# Altium PCB SPEC-A7.PcbDoc (part 1 of 10) (continued)
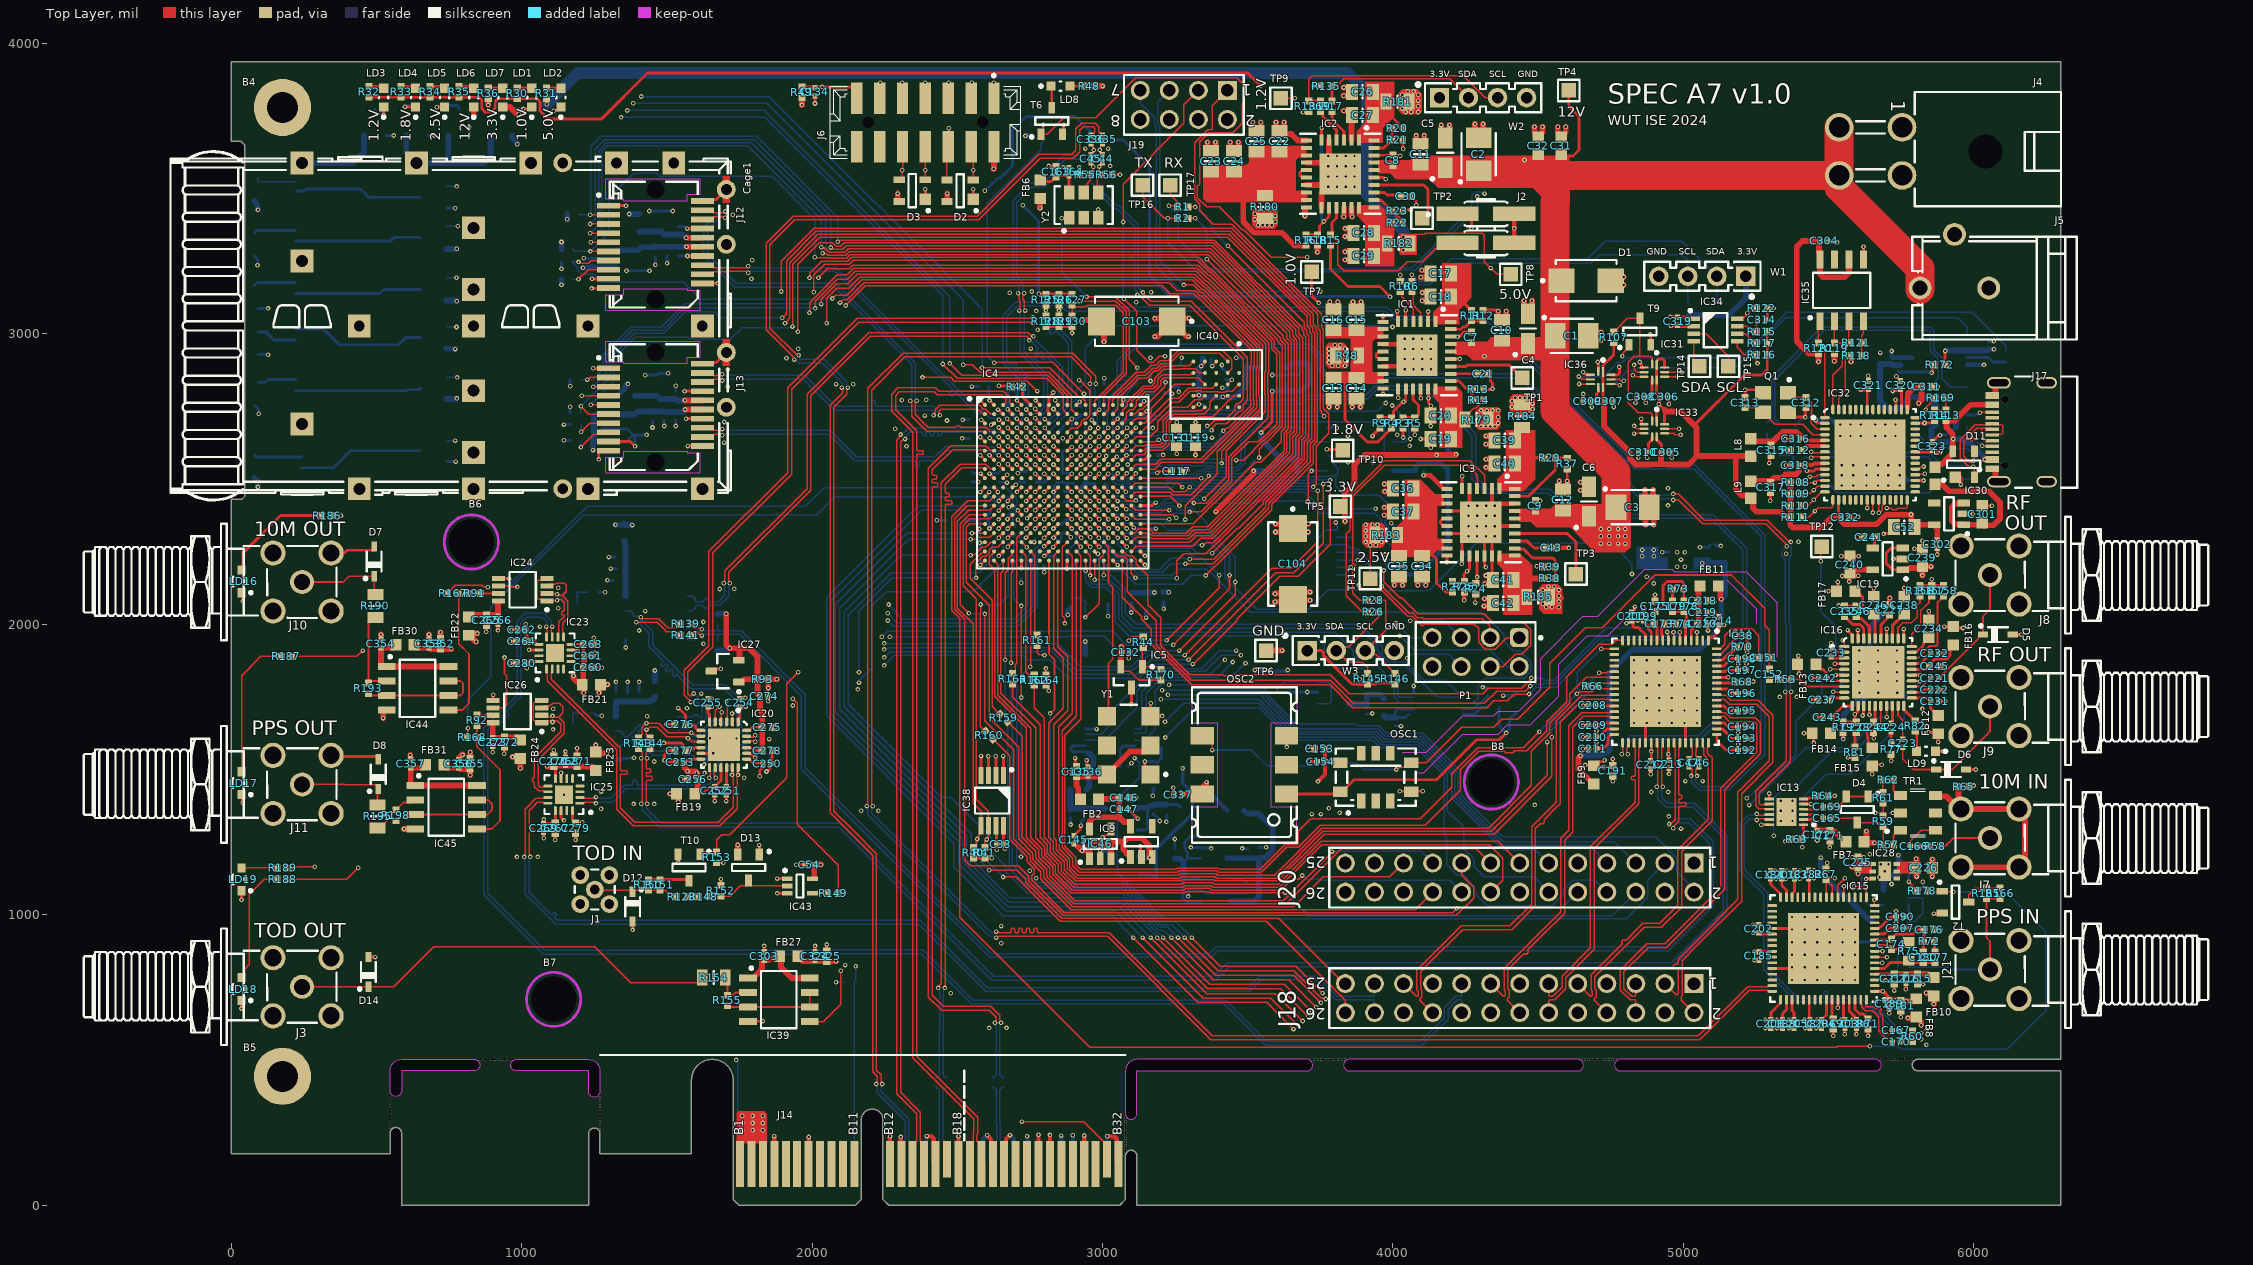
[diagram p0: Top Layer view]
## Components (designator, comment, footprint, x,y, rotation, side; value= is the part's Value field where it differs from the comment) (continued)
C144 "4.7uF" CAPC1005X55N 2952.76,1251.97 r180 bottom
C145 "100nF" CAPC0603X33N 2901.57,1257.87 r270 top
C146 "4.7uF" CAPC1005X55N 3075,1402.98 r180 top
C147 "100nF" CAPC0603X33N 3075,1362.98 r180 top
C148 "100nF" CAPC0603X33N 4007.87,1665.35 r90 bottom
C149 "100nF" CAPC0603X33N 4326.85,1767.85 r270 bottom
C150 "100nF" CAPC2012X88N 4425.2,1728.35 r270 bottom
C151 "10nF" CAPC1005X55N 5277.35,1884.99 r180 top
C152 "10nF" CAPC1005X55N 5295.58,1828.27 r270 top
C153 "4.7uF" CAPC1005X55N 3748.03,1570.87 r0 top
C154 "100nF" CAPC0603X33N 3751.97,1527.56 r0 top
C155 "4.7uF" CAPC1005X55N 3645.67,1787.4 r90 bottom
C156 "100nF" CAPC0603X33N 3685.04,1783.46 r90 bottom
C157 "4.7uF" CAPC1005X55N 3909.45,1775.59 r270 bottom
C158 "100nF" CAPC0603X33N 3909.45,1704.72 r90 bottom
C159 "4.7uF" CAPC1005X55N 3248.03,1212.6 r270 bottom
C160 "100nF" CAPC0603X33N 3295.28,1102.36 r90 bottom
C161 "4.7uF" CAPC1005X55N 3539,1211.77 r270 bottom
C162 "100nF" CAPC0603X33N 3499,1211.77 r270 bottom
C163 "4.7uF" CAPC1005X55N 2840,3557.98 r270 top
C164 "100nF" CAPC0603X33N 2885,3557.98 r270 top
C165 "100nF" CAPC0603X33N 5495,1332.14 r180 top
C166 "100nF" CAPC0603X33N 5795.28,1236.22 r180 top
C167 "100nF" CAPC0603X33N 5733.07,602.01 r180 top
C168 "100nF" CAPC0603X33N 5694.88,1350.39 r180 bottom
C169 "100nF" CAPC0603X33N 5495,1372.14 r180 top
C170 "100nF" CAPC0603X33N 5733.07,562.01 r180 top
C171 "4.7uF" CAPC1005X55N 5503.94,1271.65 r90 top
C172 "100nF" CAPC0603X33N 5460.63,1275.59 r90 top
C173 "33pF" CAPC1005X55N 4916.93,2001.84 r0 top
C174 "150pF" CAPC1005X55N 5715.63,898.82 r270 top
C175 "220nF" CAPC1005X55N 4901.93,2061.84 r270 top
C176 "220nF" CAPC1005X55N 5845.63,948.82 r180 top
C177 "10nF" CAPC1005X55N 5865.63,853.82 r90 top
C178 "68pF" CAPC1005X55N 5001.93,2061.84 r270 top
C179 "220nF" CAPC1005X55N 4961.93,2061.84 r90 top
C180 "470pF" CAPC1005X55N 5825.63,853.82 r90 top
C181 "4.7uF" CAPC1005X55N 5748.26,687.12 r90 top
C182 "100nF" CAPC0603X33N 5430.63,1138.82 r270 top
C183 "100nF" CAPC0603X33N 5381.89,1137.8 r270 top
C184 "100nF" CAPC0603X33N 5299.21,1137.8 r270 top
C185 "100nF" CAPC0603X33N 5259.84,858.27 r90 top
C186 "100nF" CAPC0603X33N 5595.63,623.82 r90 top
C187 "100nF" CAPC0603X33N 5435.63,623.82 r90 top
C188 "100nF" CAPC0603X33N 5340.63,623.82 r90 top
C189 "100nF" CAPC0603X33N 5708.66,692.91 r90 top
C190 "100nF" CAPC0603X33N 5745.63,993.82 r180 top
C191 "4.7uF" CAPC1005X55N 4756.69,1496.36 r90 top
C192 "100nF" CAPC0603X33N 5201.93,1566.84 r180 top
C193 "100nF" CAPC0603X33N 5201.93,1606.84 r180 top
C194 "100nF" CAPC0603X33N 5201.93,1646.84 r180 top
C195 "100nF" CAPC0603X33N 5201.93,1701.84 r180 top
C196 "100nF" CAPC0603X33N 5201.93,1761.84 r180 top
C197 "100nF" CAPC0603X33N 5201.93,1841.84 r180 top
C198 "100nF" CAPC0603X33N 5201.93,1881.84 r180 top
C199 "100nF" CAPC0603X33N 4861.93,2026.84 r270 top
C200 "100nF" CAPC0603X33N 4821.93,2026.84 r270 top
C201 "100nF" CAPC0603X33N 5338.58,1137.8 r270 top
C202 "100nF" CAPC0603X33N 5259.17,952.13 r270 top
C203 "100nF" CAPC0603X33N 5555.63,623.82 r90 top
C204 "100nF" CAPC0603X33N 5475.63,623.82 r90 top
C205 "100nF" CAPC0603X33N 5380.63,623.82 r90 top
C206 "100nF" CAPC0603X33N 5300.63,623.82 r90 top
C207 "100nF" CAPC0603X33N 5745.63,953.82 r180 top
C208 "100nF" CAPC0603X33N 4686.93,1721.84 r0 top
C209 "100nF" CAPC0603X33N 4686.93,1651.84 r0 top
C210 "100nF" CAPC0603X33N 4686.93,1611.84 r0 top
C211 "100nF" CAPC0603X33N 4686.93,1571.84 r0 top
C212 "100nF" CAPC0603X33N 4886.93,1516.84 r90 top
C213 "100nF" CAPC0603X33N 4950,1517.98 r90 top
C214 "100nF" CAPC0603X33N 5121.93,2011.84 r270 top
C215 "4.7uF" CAPC1005X55N 5805.63,778.82 r90 top
C216 "100nF" CAPC0603X33N 5765.63,778.82 r90 top
C217 "10nF" CAPC1005X55N 5725.63,778.82 r90 top
C218 "4.7uF" CAPC1005X55N 5066.93,2081.84 r180 top
C219 "100nF" CAPC0603X33N 5066.93,2041.84 r180 top
C220 "10nF" CAPC1005X55N 5066.93,2001.84 r180 top
C221 "100nF" CAPC0603X33N 5865,1815 r0 top
C222 "100nF" CAPC0603X33N 5865,1775 r0 top
C223 "100nF" CAPC0603X33N 5755,1590 r270 top
C224 "100nF" CAPC0603X33N 5715,1645 r270 top
C225 "1uF" CAPC1005X55N 5600.47,1180.91 r270 top
C226 "10uF" CAPC1608X80N 5827.24,1161.92 r180 top
C227 "2.2nF" CAPC1005X55N 5710,2050 r270 top
C228 "15nF" CAPC1005X55N 5595,1645 r90 top
C229 "1uF" CAPC1005X55N 4897.64,2181.1 r90 bottom
C230 "10uF" CAPC1608X80N 5098.43,2240.16 r270 bottom
C231 "100nF" CAPC0603X33N 5865,1735 r180 top
C232 "100nF" CAPC0603X33N 5865,1900 r180 top
C233 "470nF" CAPC0603X33N 5508.3,1902.63 r270 top
C234 "10uF" CAPC1608X80N 5845,1985 r270 top
C235 "10nF" CAPC1005X55N 5555,2045 r270 top
C236 "10uF" CAPC1608X80N 5655,2065 r270 top
C237 "1uF" CAPC1005X55N 5480,1740 r0 top
C238 "10uF" CAPC1608X80N 5760,2065 r270 top
C239 "2.2uF" CAPC1608X90N 5822.89,2228.23 r270 top
C240 "2.2uF" CAPC1608X90N 5573.28,2205 r270 top
C241 "470pF" CAPC1005X55N 5640,2300 r0 top
C242 "100nF" CAPC0603X33N 5480,1815 r0 top
C243 "100nF" CAPC0603X33N 5495,1680 r0 top
C244 "1uF" CAPC1005X55N 5655,1645 r90 top
C245 "1uF" CAPC1005X55N 5865,1855 r180 top
C246 "1uF" CAPC1005X55N 5595,2045 r270 top
C247 "10nF" CAPC1005X55N 1334.67,2151.42 r0 bottom
C248 "100nF" CAPC0603X33N 1339.67,2191.42 r0 bottom
C249 "4.7uF" CAPC1005X55N 1339.67,2231.42 r0 bottom
C250 "100nF" CAPC0603X33N 1846.03,1520.2 r180 top
C251 "100nF" CAPC0603X33N 1704.67,1426.42 r90 top
C252 "100nF" CAPC0603X33N 1664.67,1426.42 r90 top
C253 "100nF" CAPC0603X33N 1546.03,1525.2 r0 top
C254 "100nF" CAPC0603X33N 1751.03,1730.2 r270 top
C255 "100nF" CAPC0603X33N 1641.03,1730.2 r270 top
C256 "4.7uF" CAPC1005X55N 1589.67,1466.42 r0 top
C257 "10nF" CAPC1005X55N 1324.67,1751.42 r270 bottom
C258 "100nF" CAPC0603X33N 1364.67,1751.42 r270 bottom
C259 "4.7uF" CAPC1005X55N 1404.67,1751.42 r270 bottom
C260 "4.7uF" CAPC1005X55N 1230.08,1851.38 r180 top
C261 "100nF" CAPC0603X33N 1230.08,1891.38 r180 top
C262 "100nF" CAPC0603X33N 1000.08,1981.38 r0 top
C263 "10nF" CAPC1005X55N 1230.08,1931.38 r180 top
C264 "10nF" CAPC1005X55N 1000.08,1941.38 r0 top
C265 "4.7uF" CAPC1005X55N 878.46,2013.9 r90 top
C266 "100nF" CAPC0603X33N 918.46,2013.9 r90 top
C267 "4.7uF" CAPC1005X55N 1115.67,1298.39 r90 top
C268 "100nF" CAPC0603X33N 1150.67,1528.39 r270 top
C269 "100nF" CAPC0603X33N 1075.67,1298.39 r90 top
C270 "10nF" CAPC1005X55N 1110.67,1528.39 r270 top
C271 "10nF" CAPC1005X55N 1190.67,1528.39 r270 top
C272 "4.7uF" CAPC1005X55N 940.59,1594.57 r90 top
C273 "100nF" CAPC0603X33N 900.59,1594.57 r90 top
C274 "100nF" CAPC0603X33N 1834.65,1751.97 r180 top
C275 "10nF" CAPC1005X55N 1846.03,1645.2 r180 top
C276 "10nF" CAPC1005X55N 1546.03,1655.2 r0 top
C277 "10nF" CAPC1005X55N 1546.03,1565.2 r0 top
C278 "10nF" CAPC1005X55N 1846.03,1565.2 r180 top
C279 "10nF" CAPC1005X55N 1185.67,1298.39 r90 top
C280 "10nF" CAPC1005X55N 1000.08,1866.38 r0 top
C281 "100nF" CAPC0603X33N 1235.63,3242.56 r270 bottom
C282 "1uF" CAPC1005X55N 1275.63,3242.56 r270 bottom
C283 "10uF" CAPC1608X80N 1400.63,3252.56 r90 bottom
C284 "1uF" CAPC1005X55N 1460.63,3282.56 r90 bottom
C285 "100nF" CAPC0603X33N 1500.63,3282.56 r90 bottom
C286 "100nF" CAPC0603X33N 1540.63,3282.56 r90 bottom
C287 "10uF" CAPC1608X80N 1480.63,3387.56 r270 bottom
C288 "100nF" CAPC0603X33N 1539.39,3355.7 r270 bottom
C289 "100nF" CAPC0603X33N 1260.63,2672.56 r180 bottom
C290 "1uF" CAPC1005X55N 1265.63,2627.56 r180 bottom
C291 "10uF" CAPC1608X80N 1390.63,2687.56 r90 bottom
C292 "1uF" CAPC1005X55N 1450.63,2717.56 r90 bottom
C293 "100nF" CAPC0603X33N 1490.63,2717.56 r90 bottom
C294 "100nF" CAPC0603X33N 1530.63,2717.56 r90 bottom
C295 "10uF" CAPC1608X80N 1465.63,2822.56 r270 bottom
C296 "100nF" CAPC0603X33N 1530.63,2787.56 r270 bottom
C297 "100nF" CAPC0603X33N 5787.4,2496.06 r0 bottom
C298 "100nF" CAPC0603X33N 5496.06,2704.72 r180 bottom
C299 "100nF" CAPC0603X33N 6051.18,2960.63 r270 bottom
C300 "4.7uF" CAPC1005X55N 5677.17,2913.39 r270 bottom
C301 "10uF" CAPC1608X80N 6029.19,2379.04 r270 top
C302 "100nF" CAPC0603X33N 5874.02,2275.59 r90 top
C303 "100nF" CAPC0603X33N 1835.35,857.58 r270 top
C304 "100nF" CAPC0603X33N 5484.8,3319.71 r180 top
C305 "100nF" CAPC0603X33N 4940,2592.98 r180 top
C306 "100nF" CAPC0603X33N 4935,2782.98 r180 top
C307 "100nF" CAPC0603X33N 4745,2767.98 r180 top
C308 "100nF" CAPC0603X33N 4855,2782.98 r0 top
C309 "100nF" CAPC0603X33N 4670,2767.98 r0 top
C310 "100nF" CAPC0603X33N 4860,2592.98 r0 top
C311 "4.7uF" CAPC1005X55N 5837.06,2818.54 r180 top
C312 "22pF" CAPC1005X55N 5422.06,2763.54 r90 top
C313 "22pF" CAPC1005X55N 5212.06,2763.54 r270 top
C314 "100nF" CAPC0603X33N 5270,3047.98 r0 top
C315 "4.7uF" CAPC1005X55N 5302.06,2598.54 r90 top
C316 "100nF" CAPC0603X33N 5387.06,2638.54 r0 top
C317 "4.7uF" CAPC1005X55N 5299.95,2471.09 r90 top
C318 "100nF" CAPC0603X33N 5385,2547.98 r0 top
C319 "100nF" CAPC0603X33N 4980,3042.98 r270 top
C320 "100nF" CAPC0603X33N 5747.06,2823.54 r270 top
C321 "100nF" CAPC0603X33N 5637.06,2823.54 r270 top
C322 "100nF" CAPC0603X33N 5557.06,2368.54 r180 top
C323 "100nF" CAPC0603X33N 5857.06,2613.54 r270 top
C324 "100nF" CAPC0603X33N 2010.35,857.58 r270 top
C325 "4.7uF" CAPC1005X55N 2050.35,857.58 r270 top
C326 "470nF" CAPC0603X33N 3355,2767.98 r90 bottom
C327 "470nF" CAPC0603X33N 3360,2915 r180 bottom
C328 "470nF" CAPC0603X33N 3435,2796 r270 bottom
C329 "1uF" CAPC1005X55N 3681.1,2881.89 r90 bottom
C330 "1uF" CAPC1005X55N 3492.13,2901.57 r270 bottom
C331 "100nF" CAPC0603X33N 5716.54,2909.45 r270 bottom
C332 "100nF" CAPC0603X33N 4106.3,2169.29 r270 bottom
C333 "47pF" CAPC1005X55N 5385.83,2523.62 r270 bottom
C334 "47pF" CAPC1005X55N 5381.89,2663.39 r270 bottom
C335 "100nF" CAPC0603X33N 3000,3669.29 r270 top
C336 "100nF" CAPC0603X33N 2960.63,3669.29 r270 top
C337 "100nF" CAPC0603X33N 3259.84,1413.39 r0 top
C338 "470pF" CAPC1005X55N 3023.62,1228.35 r90 bottom
C339 "470pF" CAPC1005X55N 3496.06,1090.55 r90 bottom
C351 "100nF" CAPC0603X33N 5757.87,1137.8 r180 bottom
C352 "4.7uF" CAPC1005X55N 720.47,1933.07 r270 top
C353 "100nF" CAPC0603X33N 681.1,1933.07 r270 top
C354 "100nF" CAPC0603X33N 515.75,1933.07 r270 top
C355 "4.7uF" CAPC1005X55N 822.83,1519.69 r270 top
C356 "100nF" CAPC0603X33N 783.46,1519.69 r270 top
C357 "100nF" CAPC0603X33N 618.11,1519.69 r270 top
Cage1 "SFP+" TYCO_2007263-1 1460.63,3027.56 r0 top
D1 "SMBJ12A" DIOM5336X265N 4665,3182.98 r0 top
D2 "PRTR5V0U2X" SOT190P230X110-4N 2509.72,3492.51 r180 top
D3 "PRTR5V0U2X" SOT190P230X110-4N 2345,3492.98 r180 top
D4 "BAV99" SOT95P240X110-3N 5598.43,1362.2 r270 top
D5 "PESD5V0S1UA" SOD2512X110N 6082.68,1964.57 r0 top
D6 "PESD5V0S1UA" SOD2512X110N 5921.26,1500 r0 top
D7 "PESD5V0S1UA" SOD2512X110N 492.13,2216.54 r90 top
D8 "PESD5V0S1UA" SOD2512X110N 506.06,1483.98 r90 top
D11 "PRTR5V0U2X" SOT190P230X110-4N 5964.57,2551.18 r90 top
D12 "PESD5V0S1UA" SOD2512X110N 1381.89,1027.56 r270 top
D13 "BAV99" SOT95P240X110-3N 1781.14,1162.51 r270 top
D14 "PESD5V0S1UA" SOD2512X110N 472.44,803.15 r90 top
D15 "PESD5V0S1UA" SOD2512X110N 5830.71,881.89 r90 bottom
D16 "BAV99" SOT95P240X110-3N 5692.91,944.88 r0 bottom
FB1 "220R@100MHz" INDC1608X95N 4189.06,2562.78 r270 bottom
FB2 "220R@100MHz" INDC1608X95N 2955,1397.98 r180 top
FB3 "220R@100MHz" INDC1608X95N 2914.88,1431.4 r0 bottom
FB4 "220R@100MHz" INDC1608X95N 3968.5,1716.54 r270 bottom
FB5 "220R@100MHz" INDC1608X95N 3460.63,1358.27 r180 bottom
FB6 "220R@100MHz" INDC1608X95N 2785,3497.98 r90 top
FB7 "220R@100MHz" INDC1608X95N 5590.55,1251.97 r180 top
FB8 "220R@100MHz" INDC1608X95N 5801.21,679.42 r90 top
FB9 "220R@100MHz" INDC1608X95N 4691.69,1481.36 r90 top
FB10 "220R@100MHz" INDC1608X95N 5862.2,751.97 r90 top
FB11 "220R@100MHz" INDC1608X95N 5088.55,2131.84 r180 top
FB12 "220R@100MHz" INDC1608X95N 5876.89,1654.42 r90 top
FB13 "220R@100MHz" INDC1608X95N 5424.51,1862.85 r0 top
FB14 "220R@100MHz" INDC1608X95N 5475,1625 r0 top
FB15 "220R@100MHz" INDC1608X95N 5649.61,1543.31 r90 top
FB16 "220R@100MHz" INDC1608X95N 5929.13,1960.63 r270 top
FB17 "220R@100MHz" INDC1608X95N 5559.06,2114.17 r0 top
FB18 "220R@100MHz" INDC1608X95N 1354.33,2314.96 r270 bottom
FB19 "220R@100MHz" INDC1608X95N 1564.67,1416.42 r0 top
FB20 "220R@100MHz" INDC1608X95N 1458.94,1777.32 r270 bottom
FB21 "220R@100MHz" INDC1608X95N 1240.08,1791.38 r180 top
FB22 "220R@100MHz" INDC1608X95N 818.46,1993.9 r90 top
FB23 "220R@100MHz" INDC1608X95N 1255.67,1528.39 r270 top
FB24 "220R@100MHz" INDC1608X95N 995.59,1569.57 r90 top
FB25 "220R@100MHz" INDC1608X95N 3267.72,1338.58 r270 bottom
FB26 "220R@100MHz" INDC1608X95N 3125.98,1169.29 r270 bottom
FB27 "220R@100MHz" INDC1608X95N 1920.35,857.58 r180 top
FB28 "220R@100MHz" INDC1608X95N 3598.43,1807.09 r90 bottom
FB29 "220R@100MHz" INDC1608X95N 3216.54,1122.05 r180 bottom
FB30 "220R@100MHz" INDC1608X95N 598.43,1929.13 r180 top
FB31 "220R@100MHz" INDC1608X95N 700.79,1515.75 r180 top
IC1 "MPM54304GMN-002" MPS_MPM54304GMN 4082.32,2926.32 r270 top
IC2 "MPM54304GMN-002" MPS_MPM54304GMN 3818.37,3550.77 r270 top
IC3 "MPM54304GMN-002" MPS_MPM54304GMN 4302.32,2351.32 r270 top
IC4 "XC7A35T-2CSG325I" CSG325 2862.76,2487.23 r0 top
IC5 "MCP121T-315E/TT" SOT-23-TT3_L 3100,1817.98 r270 top
IC6 "MX25L12835FZNI-10G" SON127P600X500X80-9N-R350X410 3888.35,2603.02 r0 bottom
IC7 "AD5683RBRMZ-3" SOP50P490X109-10N 3024.88,1601.4 r0 bottom
IC8 "MCP1802T-3002I/OT" SOT95P270X145-5N 3061.73,1328.8 r180 bottom
IC9 "MCP1802T-3002I/OT" SOT95P270X145-5N 3133.86,1251.97 r90 top
IC10 "AD5683RBRMZ-3" SOP50P490X109-10N 4157.48,1728.35 r0 bottom
IC11 "MCP1802T-3002I/OT" SOT95P270X145-5N 3795.28,1763.78 r0 bottom
IC12 "MCP1802T-3002I/OT" SOT95P270X145-5N 3389,1231.77 r0 bottom
IC13 "LTC6957IDD-2" SON45P300X300X80-13N-R175X248 5354.33,1354.33 r180 top
IC14 "AD9516-4BCPZ" ADI-CP-64-4_N 4938.35,1768.02 r270 top
IC15 "AD9516-4BCPZ" ADI-CP-64-4_N 5482.28,883.86 r180 top
IC16 "LMX2572RHA" QFN50P600X600X100-41N-S460 5670,1835 r0 top
IC17 "74HC4066PW" SOP65P640X110-14N 3921.26,2248.03 r0 bottom
IC18 "NCP187AMT330TAG" SON65P200X200X80-7N-R110X170 4991.64,2222.86 r0 bottom
IC19 "MIC5219-3.3YM5" SOT95P280X145-5N 5703.28,2225 r180 top
IC20 "NB6L295MNG" QFN50P400X400X80-25N-S280 1696.03,1585.2 r270 top
IC21 "MC100EP52DG" SOIC127P600X175-8N 1464.67,2021.42 r180 bottom
IC22 "MC100EP52DG" SOIC127P600X175-8N 1429.67,1606.42 r180 bottom
IC23 "ADCLK925BCPZ-R7" ADI-CP-16-3_L 1115.08,1901.38 r90 top
IC24 "SN65LVELT23DGKR" DGK0008A_L 1003.46,2118.9 r180 top
IC25 "ADCLK925BCPZ-R7" ADI-CP-16-3_L 1145.67,1413.39 r180 top
IC26 "SN65LVELT23DGKR" DGK0008A_L 985.59,1699.57 r180 top
IC27 "TLV431IDBZR" DBZ0003A_N 1700.79,1838.58 r180 top
IC28 "NCP187AMT330TAG" SON65P200X200X80-7N-R110X170 5692.91,1149.61 r0 top
IC29 "FT230XS-R" FP-SSOP-16-MFG 5881.89,2905.51 r180 bottom
IC30 "MIC5219-3.3YM5" SOT95P280X145-5N 5914.36,2380.31 r180 top
IC31 "SN74AVC2T245RSWR" QFN40P140X180X55-10N 4900,2867.98 r270 top
IC32 "FT4232H-56Q" QFN50P800X800X100-57N-S620 5642.57,2583.7 r0 top
IC33 "SN74AVC2T245RSWR" QFN40P140X180X55-10N 4900,2672.98 r270 top
IC34 "PCA9306DCTR" SOP65P400X130-8N 5110,3012.98 r0 top
IC35 "M93C46-WMN6TP" SOIC127P600X175-8N 5544.8,3149.71 r90 top
IC36 "SN74AVC2T245RSWR" QFN40P140X180X55-10N 4715,2842.98 r270 top
IC37 "DS18B20U+" SOP65P490X110-8N 2980,1982.98 r270 bottom
IC38 "24LC64-I/MS" SOP65P490X110-8N 2620,1392.98 r270 top
IC39 "NB3L553DG" SOIC127P600X175-8N 1885.35,707.58 r0 top
IC40 "S27KS0642GABHB020" FP-PG-BGA-24-IPC_A 3391.63,2826 r270 top
IC41 "MIC5365-2.7YC5TR" SOT65P210X110-5N 3586.36,2857.35 r180 bottom
IC42 "74HCT1G125GW" SOT65P210X110-5N 5732.28,1059.06 r180 bottom
IC43 "74HCT1G125GW" SOT65P210X110-5N 1958,1099 r0 top
IC44 "NB3L553DG" SOIC127P600X175-8N 641.73,1779.53 r0 top
IC45 "NB3L553DG" SOIC127P600X175-8N 740.16,1370.08 r0 top
IC46 "MIC5219-3.3YM5" SOT95P280X145-5N 2992.13,1244.09 r90 top
IC47 "MIC5219-3.3YM5" SOT95P280X145-5N 3389.76,1082.68 r0 bottom
J1 "MMCX-10" SAMTEC_MMCX-J-P-H-ST-TH1 1251.97,1086.61 r180 top
J2 "Header 2" SAMTEC_TSM-102-01-L-DV 4320,3362.98 r270 top
J3 "SMA" DELOCK_65848 244.09,751.97 r180 top locked
J4 "Mini-Fit Jr.™" MOLEX_39-30-0040 5644.33,3627.98 r270 top locked
J5 "Jack" CUI_PJ-102BH 6051.18,3157.48 r90 top locked
J6 "Milli-Grid™" MOLEX_87832-1420 2390,3727.98 r180 top locked
J7 "SMA" DELOCK_65848 6055.12,1263.78 r0 top locked
J8 "SMA" DELOCK_65848 6055.12,2169.29 r0 top locked
J9 "SMA" DELOCK_65848 6055.12,1716.54 r0 top locked
J10 "SMA" DELOCK_65848 244.09,2145.67 r180 top locked
J11 "SMA" DELOCK_65848 244.09,1448.82 r180 top locked
J12 "SFP+" MOLEX_74441-0001 1460.63,3307.56 r0 top
J13 "SFP+" MOLEX_74441-0001 1460.63,2747.56 r0 top
J14 "PCI Express x4" "PCI Express x4" 1728.35,0 r0 top
J17 "USB4105-GF-A" FP-USB4105-GF-A-MFG 6204.72,2661.42 r90 top locked
J18 "61302621121" 61302621121 4436.26,712.98 r180 top
J19 "61300821121" 61300821121#1 3280,3787.98 r180 top locked
J20 "61302621121" 61302621121 4436.26,1127.97 r180 top
J21 "SMA" DELOCK_65848 6055.12,811.02 r0 top locked
L1 "220R@100MHz" INDC1005X55N 2752.61,2489.17 r180 bottom
L2 "220R@100MHz" INDC1005X55N 2863.57,2614.22 r90 bottom
L3 "120R@100MHz" INDC1608X65N 1325.63,3257.56 r90 bottom
L4 "120R@100MHz" INDC1608X65N 1405.63,3382.56 r270 bottom
L5 "120R@100MHz" INDC1608X65N 1285.63,2722.56 r0 bottom
L6 "120R@100MHz" INDC1608X65N 1360.63,2787.56 r0 bottom
L7 "120R@100MHz" INDC1608X65N 5866.14,2511.81 r270 top
L8 "120R@100MHz" INDC1608X65N 5232.06,2608.54 r90 top
L9 "120R@100MHz" INDC1608X65N 5232.06,2463.54 r90 top
LD1 "Green" LED_KINGBRIGHT_KPH-1608CGCK 1035,3812.98 r90 top
LD2 "Green" LED_KINGBRIGHT_KPH-1608CGCK 1135,3812.98 r90 top
LD3 "Green" LED_KINGBRIGHT_KPH-1608CGCK 525,3812.98 r90 top
LD4 "Green" LED_KINGBRIGHT_KPH-1608CGCK 635,3812.98 r90 top
LD5 "Green" LED_KINGBRIGHT_KPH-1608CGCK 735,3812.98 r90 top
LD6 "Green" LED_KINGBRIGHT_KPH-1608CGCK 835,3812.98 r90 top
LD7 "Green" LED_KINGBRIGHT_KPH-1608CGCK 935,3812.98 r90 top
LD8 "Green" LED_KINGBRIGHT_KPH-1608CGCK 2855,3852.98 r0 top
LD9 "Green" LED_KINGBRIGHT_KPH-1608CGCK 5834.95,1562.64 r180 top
LD10 "Green" LED_AVAGO_HSME-C120 80.2,3497.56 r270 bottom
LD11 "Green" LED_AVAGO_HSME-C120 80.2,2542.56 r270 bottom
LD12 "Green" LED_AVAGO_HSME-C120 80.2,3307.56 r270 bottom
LD13 "Green" LED_AVAGO_HSME-C120 80.2,3127.56 r270 bottom
LD14 "Green" LED_AVAGO_HSME-C120 80.2,2967.56 r270 bottom
LD15 "Green" LED_AVAGO_HSME-C120 81.42,2792.56 r270 bottom
LD16 "Red" LED_AVAGO_HSMC-C120 36.06,2148 r90 top locked
LD17 "Red" LED_AVAGO_HSMC-C120 36.06,1452.76 r90 top locked
LD18 "Red" LED_AVAGO_HSMC-C120 35.43,744.09 r90 top locked
LD19 "Red" LED_AVAGO_HSMC-C120 35.43,1122.05 r90 top locked
OSC1 "25MHz" OSC_CONNOR-WINFIELD_T 3940.75,1473.62 r90 top
OSC2 "20MHz" OSC_CONNOR-WINFIELD_DOT050V 3488.19,1515.75 r180 top
P1 "61300821121" 61300821121#2 4284.65,1904.33 r180 top
Q1 "12MHz" XTAL_TXC_7M 5317.06,2763.54 r270 top
R1 "0" RESC1005X40N 3275.59,3437.01 r0 top
R2 "0" RESC1005X40N 3275.59,3397.64 r0 top
R3 "20k" RESC1005X40N 4035,2692.98 r270 top
R4 "10k" RESC1005X40N 3995,2692.98 r270 top
R5 "10k" RESC1005X40N 4075,2692.98 r90 top
R6 "0" RESC1005X40N 4065,3162.98 r270 top
R7 "10k" RESC1005X40N 5110,3082.98 r270 bottom
R8 "10k" RESC1005X40N 5020,3082.98 r270 bottom
R9 "15k" RESC1005X40N 3955,2692.98 r90 top
R10 "0" RESC1005X40N 4025,3162.98 r270 top
R11 "10k" RESC1005X40N 4270,3062.98 r90 top
R12 "15k" RESC1005X40N 4310,3062.98 r270 top
R13 "7k5" RESC1005X40N 4293.86,2809.78 r180 top
R14 "15k" RESC1005X40N 4294.41,2771.79 r0 top
R15 "10k" RESC1005X40N 3785,3322.98 r270 top
R16 "10k" RESC1005X40N 3700,3322.98 r270 top
R17 "0" RESC1005X40N 3790,3782.98 r270 top
R18 "15k" RESC1005X40N 3740,3322.98 r90 top
R19 "0" RESC1005X40N 3750,3782.98 r270 top
R20 "10k" RESC1005X40N 4015,3707.98 r0 top
R21 "10k" RESC1005X40N 4015,3667.98 r180 top
R22 "11k" RESC1005X40N 4015,3382.98 r180 top
R23 "1k5" RESC1005X40N 4015,3422.98 r180 top
R24 "10k" RESC1005X40N 4285,2122.98 r270 top
R25 "7k5" RESC1005X40N 4245.67,2129.51 r90 top
R26 "0" RESC1005X40N 3931.77,2042.98 r180 top
R27 "24k" RESC1005X40N 4205.51,2128.88 r270 top
R28 "0" RESC1005X40N 3931.77,2082.98 r180 top
R29 "11k" RESC1005X40N 4540,2572.98 r180 top
R30 "10k" RESC1005X40N 985,3827.98 r270 top
R31 "4k7" RESC1005X40N 1085,3827.98 r270 top
R32 "10k" RESC1005X40N 475,3832.98 r270 top
R33 "10k" RESC1005X40N 585,3832.98 r270 top
R34 "10k" RESC1005X40N 685,3832.98 r270 top
R35 "10k" RESC1005X40N 785,3832.98 r270 top
R36 "1k" RESC1005X40N 885,3827.98 r270 top
R37 "2k2" RESC1005X40N 4600,2552.98 r90 top
R38 "68k" RESC1005X40N 4540,2157.98 r180 top
R39 "15k" RESC1005X40N 4540,2197.98 r0 top
R40 "2k2" RESC1005X40N 2555,1212.98 r270 top
R41 "2k2" RESC1005X40N 2595,1212.98 r270 top
R42 "100" RESC1005X40N 2705.78,2816.94 r180 top
R43 "10k" RESC1005X40N 2860,2227.98 r180 bottom
R44 "0" RESC1005X40N 3140,1937.98 r270 top
R45 "4k7" RESC1005X40N 3688.35,2528.02 r0 bottom
R46 "4k7" RESC1005X40N 3688.35,2628.02 r0 bottom
R47 "4k7" RESC1005X40N 4108.35,2583.02 r180 bottom
R48 "1k" RESC1005X40N 2955,3852.98 r0 top
R49 "10k" RESC1005X40N 1965,3831.48 r270 top
R50 "300" RESC1005X40N 2751.97,3700.79 r270 bottom
R51 "100" RESC1005X40N 3184.88,1576.4 r0 bottom
R52 "100" RESC1005X40N 4346.85,1712.85 r0 bottom
R53 "49R9" RESC1005X40N 5352.58,1810.34 r0 top
R54 "4k7" RESC1005X40N 3744.09,2279.53 r270 bottom
R55 "120" RESC1005X40N 2940,3547.98 r0 top
R56 "120" RESC1005X40N 3015,3547.98 r180 top
R57 "100" RESC1005X40N 5704.72,1240.16 r180 top
R58 "0" RESC1005X40N 5866.14,1236.22 r180 top
R59 "300" RESC1005X40N 5687.56,1322.14 r270 top
R60 "100" RESC1005X40N 5788.07,582.01 r90 top
R61 "300" RESC1005X40N 5687.56,1402.14 r270 top
R62 "100" RESC1005X40N 5704.72,1464.57 r180 top
R63 "0" RESC1005X40N 5389.76,1259.84 r0 top
R64 "0" RESC1005X40N 5480.32,1409.45 r180 top
R65 "0" RESC1005X40N 5964.57,1440.94 r180 top
R66 "5k1" RESC1005X40N 4686.93,1786.84 r0 top
R67 "5k1" RESC1005X40N 5490.63,1138.82 r270 top
R68 "4k12" RESC1005X40N 5201.93,1801.84 r180 top
R69 "4k12" RESC1005X40N 5515.63,623.82 r90 top
R70 "5k1" RESC1005X40N 5201.93,1921.84 r180 top
R71 "4k12" RESC1005X40N 5635.63,623.82 r90 top
R72 "750" RESC1005X40N 5845.63,908.82 r180 top
R73 "820" RESC1005X40N 4981.93,2121.84 r0 top
R74 "390" RESC1005X40N 4991.93,2001.84 r180 top
R75 "2k7" RESC1608X55N 5775.63,873.82 r90 top
R76 "49R9" RESC1005X40N 5822.83,1751.97 r270 bottom
R77 "49R9" RESC1005X40N 5715,1570 r270 top
R78 "1mR" RESC2012X60N 3842.52,2925.2 r180 top
R79 "0" RESC1005X40N 5550,1645 r270 top
R80 "100" RESC1005X40N 5755.91,818.9 r180 bottom
R81 "330" RESC1005X40N 5590,1560 r90 top
R82 "330" RESC1005X40N 5798.18,1649.96 r90 top
R83 "100" RESC1005X40N 5755.91,862.2 r0 bottom
R84 "22" RESC1005X40N 5622.05,1066.93 r90 bottom
R85 "100" RESC1005X40N 1634.67,2071.42 r90 bottom
R86 "49R9" RESC1005X40N 1674.67,2016.42 r90 bottom
R87 "49R9" RESC1005X40N 1674.67,1926.42 r270 bottom
R88 "100" RESC1005X40N 1599.67,1671.42 r90 bottom
R89 "49R9" RESC1005X40N 1619.67,1581.42 r0 bottom
R90 "49R9" RESC1005X40N 1619.67,1531.42 r0 bottom
R91 "22" RESC1005X40N 838.58,2106.3 r180 top
R92 "22" RESC1005X40N 846.46,1669.29 r270 top
R93 "100" RESC1005X40N 1830.71,1811.02 r0 top
R94 "10k" RESC1005X40N 1175.63,3412.56 r180 bottom
R95 "10k" RESC1005X40N 1155.63,3187.56 r180 bottom
R96 "10k" RESC1005X40N 1155.63,3292.56 r180 bottom
R97 "240" RESC1005X40N 224.41,3507.87 r90 bottom
R98 "10k" RESC1005X40N 1155.63,3247.56 r0 bottom
R99 "240" RESC1005X40N 241.81,2557.56 r90 bottom
R100 "10k" RESC1005X40N 1185.63,2842.56 r180 bottom
R101 "10k" RESC1005X40N 1185.63,2632.56 r180 bottom
R102 "10k" RESC1005X40N 1185.63,2727.56 r180 bottom
R103 "10k" RESC1005X40N 1185.63,2687.56 r0 bottom
R104 "5k1" RESC1005X40N 2130,767.98 r0 bottom
R105 "5k1" RESC1005X40N 5956.69,2681.1 r180 bottom
R106 "5k1" RESC1005X40N 5956.69,2720.47 r180 bottom
R107 "10k" RESC1005X40N 4760,2987.98 r270 top
R108 "10k" RESC1005X40N 5387.06,2488.54 r180 top
R109 "10k" RESC1005X40N 5387.06,2448.54 r180 top
R110 "10k" RESC1005X40N 5387.06,2408.54 r180 top
R111 "10k" RESC1005X40N 5387.06,2368.54 r180 top
R112 "12k" RESC1005X40N 5387.06,2598.54 r0 top
R113 "4k7" RESC1005X40N 5903.82,2719.16 r90 top
R114 "10k" RESC1005X40N 5863.82,2719.16 r90 top
R115 "200k" RESC1005X40N 5270,3007.98 r180 top
R116 "10k" RESC1005X40N 5270,2927.98 r0 top
R117 "10k" RESC1005X40N 5270,2967.98 r0 top
R118 "10k" RESC1005X40N 5594.8,2924.71 r180 top
R119 "10k" RESC1005X40N 5519.8,2949.71 r270 top
R120 "10k" RESC1005X40N 5464.8,2949.71 r270 top
R121 "2k2" RESC1005X40N 5594.8,2969.71 r180 top
R122 "2k2" RESC1005X40N 5270,3087.98 r180 top
R123 "100" RESC1005X40N 1551.14,1062.51 r0 top
R124 "4k7" RESC1005X40N 2890,2072.98 r270 bottom
R125 "no_value" RESC1005X40N 2805,3117.98 r90 top
R126 "0" RESC1005X40N 2850,3117.98 r90 top
R127 "no_value" RESC1005X40N 2895,3117.98 r90 top
R128 "0" RESC1005X40N 2805,3042.98 r90 top
R129 "no_value" RESC1005X40N 2850,3042.98 r90 top
R130 "0" RESC1005X40N 2895,3042.98 r90 top
R131 "240" RESC1005X40N 221.81,3337.56 r90 bottom
R132 "240" RESC1005X40N 221.81,3157.56 r90 bottom
R133 "240" RESC1005X40N 221.81,2997.56 r270 bottom
R134 "240" RESC1005X40N 221.81,2822.56 r90 bottom
R135 "10k" RESC1005X40N 3770,3852.98 r180 top
R136 "10k" RESC1005X40N 3710,3782.98 r270 top
R137 "0" RESC1005X40N 1754.67,1531.42 r270 bottom
R138 "0" RESC1005X40N 1714.67,1531.42 r270 bottom
R139 "0" RESC1005X40N 1564.67,2001.42 r180 top
R140 "0" RESC1005X40N 1709.67,1616.42 r270 bottom
R141 "0" RESC1005X40N 1564.67,1961.42 r180 top
R142 "0" RESC1005X40N 1674.67,1616.42 r270 bottom
R143 "0" RESC1005X40N 1402.19,1590.24 r90 top
R144 "0" RESC1005X40N 1441.56,1590.24 r90 top
R145 "10k" RESC1005X40N 3912.48,1812.23 r270 top
R146 "10k" RESC1005X40N 4007.48,1812.23 r270 top
R147 "0" RESC1005X40N 2867.32,2440.09 r270 bottom
R148 "100" RESC1005X40N 1626.14,1062.51 r0 top
R149 "22" RESC1005X40N 2072,1074 r0 top
R150 "100" RESC1005X40N 1436.14,1102.51 r270 top
R151 "100" RESC1005X40N 1476.14,1102.51 r270 top
R152 "4k7" RESC1005X40N 1686.14,1082.51 r270 top
R153 "4k7" RESC1005X40N 1671.14,1197.51 r90 top
R154 "33" RESC2012X60N 1661.42,783.46 r0 top
R155 "DNP" RESC1005X40N 1708.66,704.72 r270 top
R156 "0" RESC1005X40N 5815,2115 r90 top
R157 "0" RESC1005X40N 5855,2115 r90 top
R158 "0" RESC1005X40N 5895,2115 r90 top
R159 "33" RESC1005X40N 2660,1677.98 r315 top
R160 "33" RESC1005X40N 2610,1617.98 r315 top
R161 "33" RESC1005X40N 2775,1944.47 r270 top
R162 "33" RESC1005X40N 2765,1807.98 r270 top
R163 "33" RESC1005X40N 2690,1812.98 r270 top
R164 "33" RESC1005X40N 2805,1807.98 r270 top
R165 "100" RESC1005X40N 6043.31,1073.62 r270 top
R166 "100" RESC1005X40N 6090.55,1073.62 r270 top
R167 "0" RESC1005X40N 763.78,2106.3 r0 top
R168 "0" RESC1005X40N 830.71,1610.24 r0 top
R169 "1k" RESC1005X40N 5885.83,2779.53 r180 top
R170 "1k" RESC1005X40N 3200.79,1826.77 r270 top
R171 "0" RESC1005X40N 6110.24,2921.26 r90 bottom
R172 "0" RESC1005X40N 5881.89,2893.7 r180 top
R173 "0" RESC1005X40N 5598.43,3055.12 r0 bottom
R174 "0" RESC1005X40N 5397.64,2574.8 r180 bottom
R175 "27" RESC1005X40N 5287.4,2677.17 r90 bottom
R176 "0" RESC1005X40N 5397.64,2610.24 r180 bottom
R177 "4k7" RESC1005X40N 5824.14,1074.49 r270 bottom
R178 "4k7" RESC1005X40N 5822.83,1082.68 r0 top
R179 "1mR" RESC2012X60N 4287.4,2704.72 r0 top
R180 "1mR" RESC2012X60N 3559.06,3437.01 r270 top
R181 "1mR" RESC2012X60N 4015.75,3799.21 r0 top
R182 "1mR" RESC2012X60N 4019.69,3311.02 r0 top
R183 "1mR" RESC2012X60N 3976.38,2307.09 r180 top
R184 "1mR" RESC2012X60N 4444.88,2716.54 r90 top
R185 "1mR" RESC2012X60N 4500,2094.49 r0 top
R186 "240" RESC1005X40N 330.71,2374.02 r0 top
R187 "240" RESC1005X40N 190.16,1889.76 r0 top
R188 "240" RESC1005X40N 177.17,1122.05 r0 top
R189 "240" RESC1005X40N 177.17,1161.42 r0 top
R190 "33" RESC2012X60N 496.06,2062.99 r270 top
R191 "49R9" RESC1005X40N 1173.23,2110.24 r180 bottom
R192 "49R9" RESC1005X40N 1173.23,2070.87 r180 bottom
R193 "DNP" RESC1005X40N 472.44,1779.53 r270 top
R194 "49R9" RESC1005X40N 1248.03,2110.24 r180 bottom
R195 "33" RESC2012X60N 503.94,1338.58 r270 top
R196 "49R9" RESC1005X40N 1157.48,1692.91 r180 bottom
R197 "49R9" RESC1005X40N 1157.48,1653.54 r180 bottom
R198 "DNP" RESC1005X40N 566.93,1342.52 r270 top
R199 "49R9" RESC1005X40N 1232.28,1692.91 r180 bottom
R200 "27" RESC1005X40N 5326.77,2675.98 r90 bottom
T1 "BSH103" SOT95P230X110-3N 930,3727.98 r90 bottom
T2 "BSH103" SOT95P230X110-3N 5937.01,1043.31 r0 top
T3 "BSH103" SOT95P230X110-3N 495,3727.98 r90 bottom
T4 "BSH103" SOT95P230X110-3N 640,3727.98 r90 bottom
T5 "BSH103" SOT95P230X110-3N 785,3727.98 r90 bottom
T6 "BSH103" SOT95P230X110-3N 2825,3732.98 r90 top
T7 "BSH103" SOT95P230X110-3N 695.91,3470.16 r180 bottom
T8 "BSH103" SOT95P230X110-3N 696.18,2597.56 r180 bottom
T9 "BSH103" SOT95P230X110-3N 4850,3007.98 r90 top
T10 "BSH103" SOT95P230X110-3N 1576.14,1162.51 r270 top
T11 "BSH103" SOT95P230X110-3N 695.91,3329.96 r180 bottom
T12 "BSH103" SOT95P230X110-3N 696.18,3152.56 r180 bottom
T13 "BSH103" SOT95P230X110-3N 696.18,2987.56 r180 bottom
T14 "BSH103" SOT95P230X110-3N 696.18,2812.56 r180 bottom
TP1 "Test Point" TPS127 4445,2847.98 r180 top
TP2 "Test Point" TPS127 4100,3397.98 r180 top
TP3 "Test Point" TPS127 4630,2172.98 r180 top
TP4 "Test Point" TPS127 4605,3837.98 r0 top
TP5 "Test Point" TPS127 3818.9,2405.51 r180 top
TP6 "Test Point" TPS127 3562.99,1909.45 r0 top
TP7 "Test Point" TPS127 3720,3212.98 r0 top
TP8 "Test Point" TPS127 4405.51,3204.72 r0 top
TP9 "Test Point" TPS127 3614.17,3811.02 r0 top
TP10 "Test Point" TPS127 3826.77,2598.43 r90 top
TP11 "Test Point" TPS127 3921.26,2157.48 r90 top
TP12 "Test Point" TPS127 5476.38,2267.72 r270 top
TP14 "Test Point" TPS127 5055,2887.98 r90 top
TP15 "Test Point" TPS127 5155,2887.98 r90 top
TP16 "Test Point" TPS127 3137.8,3511.81 r270 top
TP17 "Test Point" TPS127 3232.28,3511.81 r270 top
TR1 "1:16" XFMR_COILCRAFT_WBC 5807.09,1350.39 r0 top